# KiCad board Digital-Output-Module.kicad_pcb
title: Digital Output Module; date: 2021-08-28; rev: Rev. A; company: Missouri University of Science & Technology Rocket Design Team; note: Arnold Baker

Outline 101.6 x 57.15 mm; copper layers: Top, Bottom. Coordinates in mm from the lower left corner of the outline.
Outline path: circle c4.57,52.58 r1.75 ; circle c4.57,4.57 r1.75 ; circle c97.03,52.58 r1.75 ; circle c97.03,4.57 r1.75 ; 0,52.58 0,4.57 arc(1.34,1.34) 4.57,0 97.03,0 arc(100.26,1.34) 101.6,4.57 101.6,52.58 arc(100.26,55.81) 97.03,57.15 4.57,57.15 arc(1.34,55.81) 0,52.58

## Placement (name value [footprint] x y rotation side)
J1  -  [0039281023]  13.97 34.29 180 top
J2  -  [0039281023]  13.97 26.67 180 top
J3  -  [0039281023]  13.97 19.05 180 top
J4  -  [0039281023]  13.97 11.43 180 top
J5  -  [0039281023]  39.37 34.29 180 top
J6  -  [0039281023]  39.37 26.67 180 top
J7  -  [0039281023]  39.37 19.05 180 top
J8  -  [0039281023]  39.37 11.43 180 top
J9  182-037-213  [182-037-213R181]  50.8 52.07 0 top
J10  -  [0039281023]  62.23 11.43 0 top
J11  -  [0039281023]  62.23 19.05 0 top
J12  -  [0039281023]  62.23 26.67 0 top
J13  -  [0039281023]  62.23 34.29 0 top
J14  -  [0039281023]  87.63 11.43 0 top
J15  -  [0039281023]  87.63 19.05 0 top
J16  -  [0039281023]  87.63 26.67 0 top
J17  -  [0039281023]  87.63 34.29 0 top
LOGO  -  [LOGO]  0.89 27.05 90 top

## Footprints (pads in the part's own frame, mm; a bottom-side part is the same pattern mirrored in y, then rotated)
182-037-213R181
  round 3.048 hole 3.048 unplated: (-31.75,0) (31.75,0)
  round 2.184 hole 1.092: 1(-24.917,-1.422) 2(-22.149,-1.422) 3(-19.38,-1.422) 4(-16.612,-1.422) 5(-13.843,-1.422) 6(-11.074,-1.422) 7(-8.306,-1.422) 8(-5.537,-1.422) 9(-2.769,-1.422) 10(0,-1.422) 11(2.769,-1.422) 12(5.537,-1.422) 13(8.306,-1.422) 14(11.074,-1.422) 15(13.843,-1.422) 16(16.612,-1.422) 17(19.38,-1.422) 18(22.149,-1.422) 19(24.917,-1.422) 20(-23.533,1.422) 21(-20.765,1.422) 22(-17.996,1.422) 23(-15.227,1.422) 24(-12.459,1.422) 25(-9.69,1.422) 26(-6.921,1.422) 27(-4.153,1.422) 28(-1.384,1.422) 29(1.384,1.422) 30(4.153,1.422) 31(6.921,1.422) 32(9.69,1.422) 33(12.459,1.422) 34(15.227,1.422) 35(17.996,1.422) 36(20.765,1.422) 37(23.533,1.422)
0039281023
  round 2.794 hole 1.397: 1(-2.794,0) 2(2.794,0)

## Nets
Net-(J1-Pad1): J1.1 J9.1
Net-(J1-Pad2): J1.2 J2.2 J3.2 J4.2 J9.28
Net-(J2-Pad1): J2.1 J9.2
Net-(J3-Pad1): J3.1 J9.3
Net-(J4-Pad1): J4.1 J9.4
Net-(J5-Pad1): J5.1 J9.5
Net-(J5-Pad2): J5.2 J6.2 J7.2 J8.2 J9.9
Net-(J6-Pad1): J6.1 J9.6
Net-(J7-Pad1): J7.1 J9.7
Net-(J8-Pad1): J8.1 J9.8
Net-(J9-Pad19): J9.19
Net-(J9-Pad20): J9.20
Net-(J9-Pad21): J9.21
Net-(J9-Pad22): J9.22
Net-(J9-Pad23): J9.23
Net-(J9-Pad24): J9.24
Net-(J9-Pad25): J9.25
Net-(J9-Pad26): J9.26
Net-(J9-Pad27): J9.27
Net-(J9-Pad30): J9.30
Net-(J9-Pad31): J9.31
Net-(J9-Pad32): J9.32
Net-(J9-Pad33): J9.33
Net-(J9-Pad34): J9.34
Net-(J9-Pad35): J9.35
Net-(J9-Pad36): J9.36
Net-(J9-Pad37): J9.37
Net-(J10-Pad1): J9.11 J10.1
Net-(J10-Pad2): J9.10 J10.2 J11.2 J12.2 J13.2
Net-(J11-Pad1): J9.12 J11.1
Net-(J12-Pad1): J9.13 J12.1
Net-(J13-Pad1): J9.14 J13.1
Net-(J14-Pad1): J9.15 J14.1
Net-(J14-Pad2): J9.29 J14.2 J15.2 J16.2 J17.2
Net-(J15-Pad1): J9.16 J15.1
Net-(J16-Pad1): J9.17 J16.1
Net-(J17-Pad1): J9.18 J17.1

## Routing (per net, layer and track width the routed paths; a pad name or vN(x,y) marks a point on that pad's centre or on a via; arc(x,y) is an arc through that point)
Net-(J1-Pad1): length 20.1
  Top w0.762: J1.1 25.88,43.41 J9.1
Net-(J1-Pad2): length 74.7
  Bottom w0.762: J4.2 J1.2 11.18,39.88 26.46,55.17 49.38,55.17 49.42,55.13 J9.28
Net-(J2-Pad1): length 28.9
  Top w0.762: J2.1 28.65,38.56 J9.2
Net-(J3-Pad1): length 37.7
  Top w0.762: J9.3 31.42,33.71 J3.1
Net-(J4-Pad1): length 46.4
  Top w0.762: J4.1 34.19,28.85 J9.4
Net-(J5-Pad1): length 18.5
  Top w0.762: J9.5 36.96,39.5 J5.1
Net-(J5-Pad2): length 44
  Bottom w0.762: J9.9 48.03,45.75 J5.2 J8.2
Net-(J6-Pad1): length 27.4
  Top w0.762: J9.6 39.73,41.55 45.09,36.2 45.09,29.59 J6.1
Net-(J7-Pad1): length 35.5
  Top w0.762: J7.1 46.99,23.88 46.99,37.47 42.49,41.96 J9.7
Net-(J8-Pad1): length 43.5
  Top w0.762: J9.8 45.26,42.37 48.9,38.73 48.9,18.16 J8.1
Net-(J10-Pad1): length 42.4
  Top w0.762: J10.1 52.71,18.16 52.71,40.01 53.57,40.87 J9.11
Net-(J10-Pad2): length 45.1
  Bottom w0.762: J10.2 J13.2 50.8,48.51 J9.10
Net-(J11-Pad1): length 34.3
  Top w0.762: J11.1 54.61,23.88 54.61,38.1 56.34,39.83 J9.12
Net-(J12-Pad1): length 26.3
  Top w0.762: J9.13 59.11,38.79 56.51,36.2 56.51,29.59 J12.1
Net-(J13-Pad1): length 17.4
  Top w0.762: J9.14 61.87,36.73 J13.1
Net-(J14-Pad1): length 47.6
  Top w0.762: J14.1 80.65,15.62 80.65,24.13 64.64,40.13 J9.15
Net-(J14-Pad2): length 75
  Bottom w0.762: J9.29 52.18,55.36 74.94,55.36 90.42,39.88 J17.2 J14.2
Net-(J15-Pad1): length 38.8
  Top w0.762: J15.1 84.84,23.32 67.41,40.74 J9.16
Net-(J16-Pad1): length 30
  Top w0.762: J16.1 70.18,41.33 J9.17
Net-(J17-Pad1): length 21.3
  Top w0.762: J17.1 72.95,46.18 J9.18

## Text on the board
F.SilkS: Missouri S&T Rocket Design Team / Voltage Trigger Module - Rev. A / 8/28/2021 | - | 5V | + | DIO0 | DIO1 | DIO2 | DIO3 | DIO4 | DIO5 | DIO6 | DIO7 | DIO8 | DIO9 | DIO10 | DIO11 | DIO12 | DIO13 | DIO14 | DIO15
